# KiCad board FCSat_dual.kicad_pcb
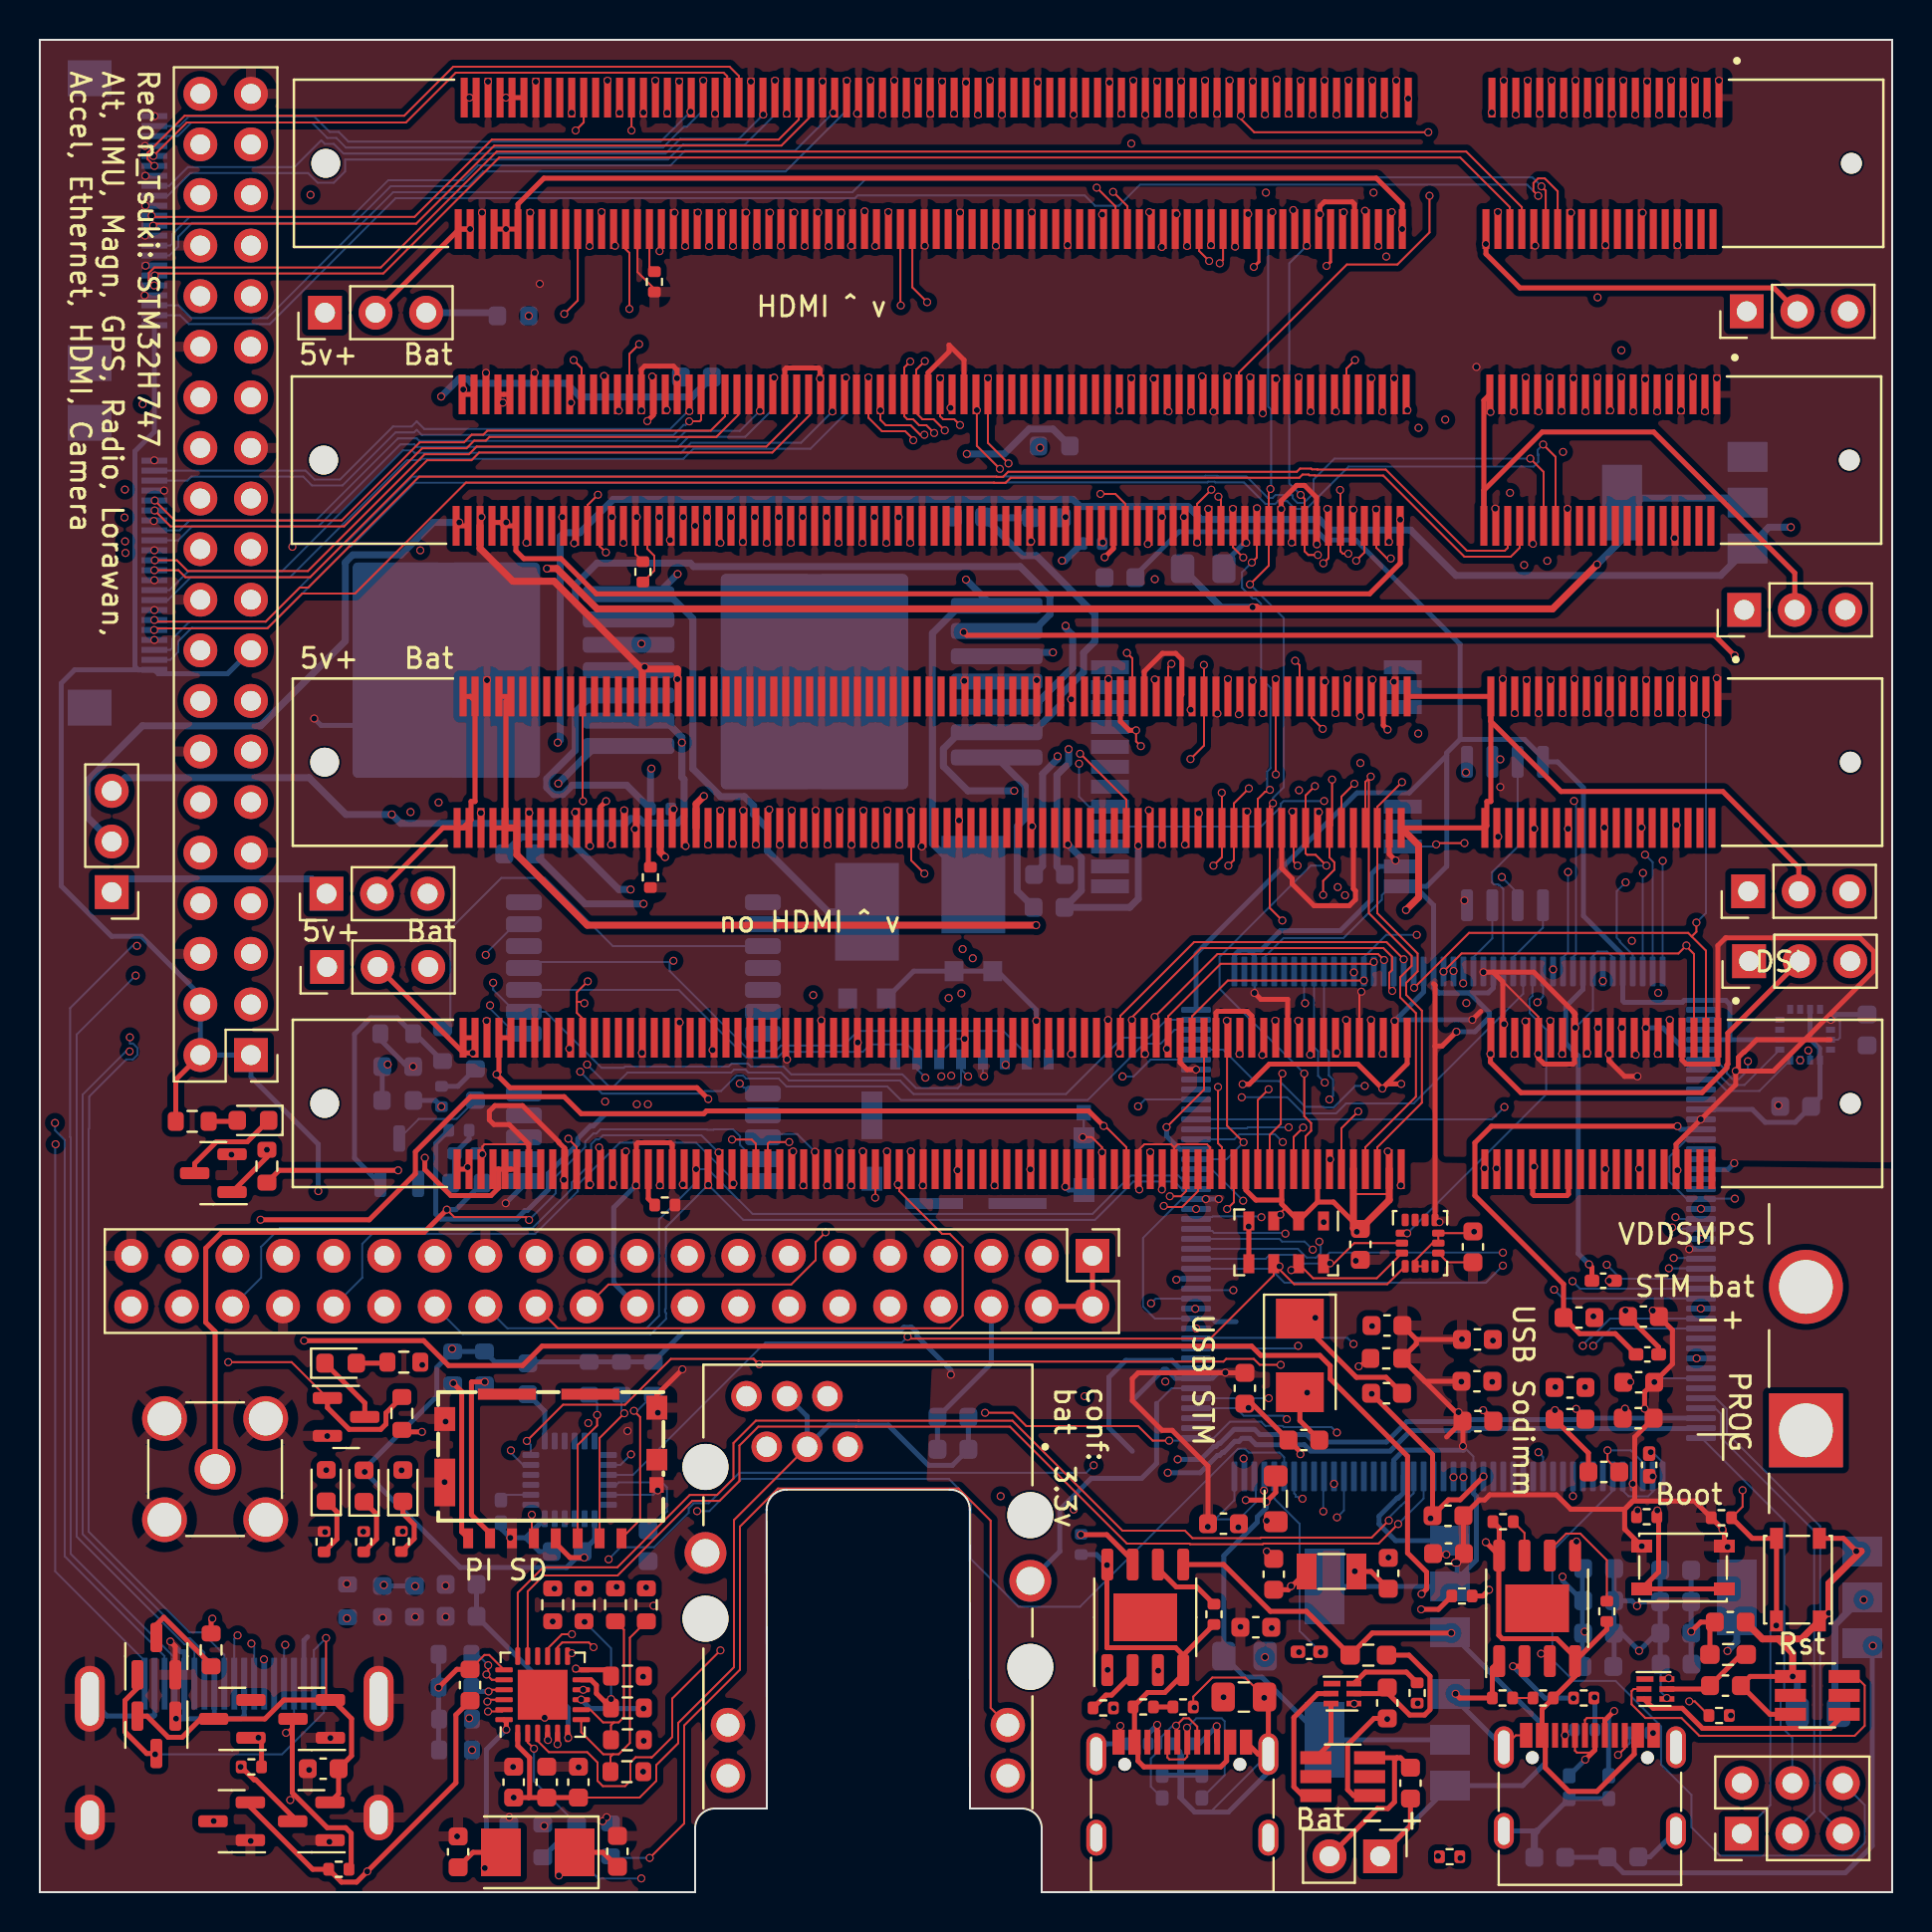
[diagram p0: board, top side]
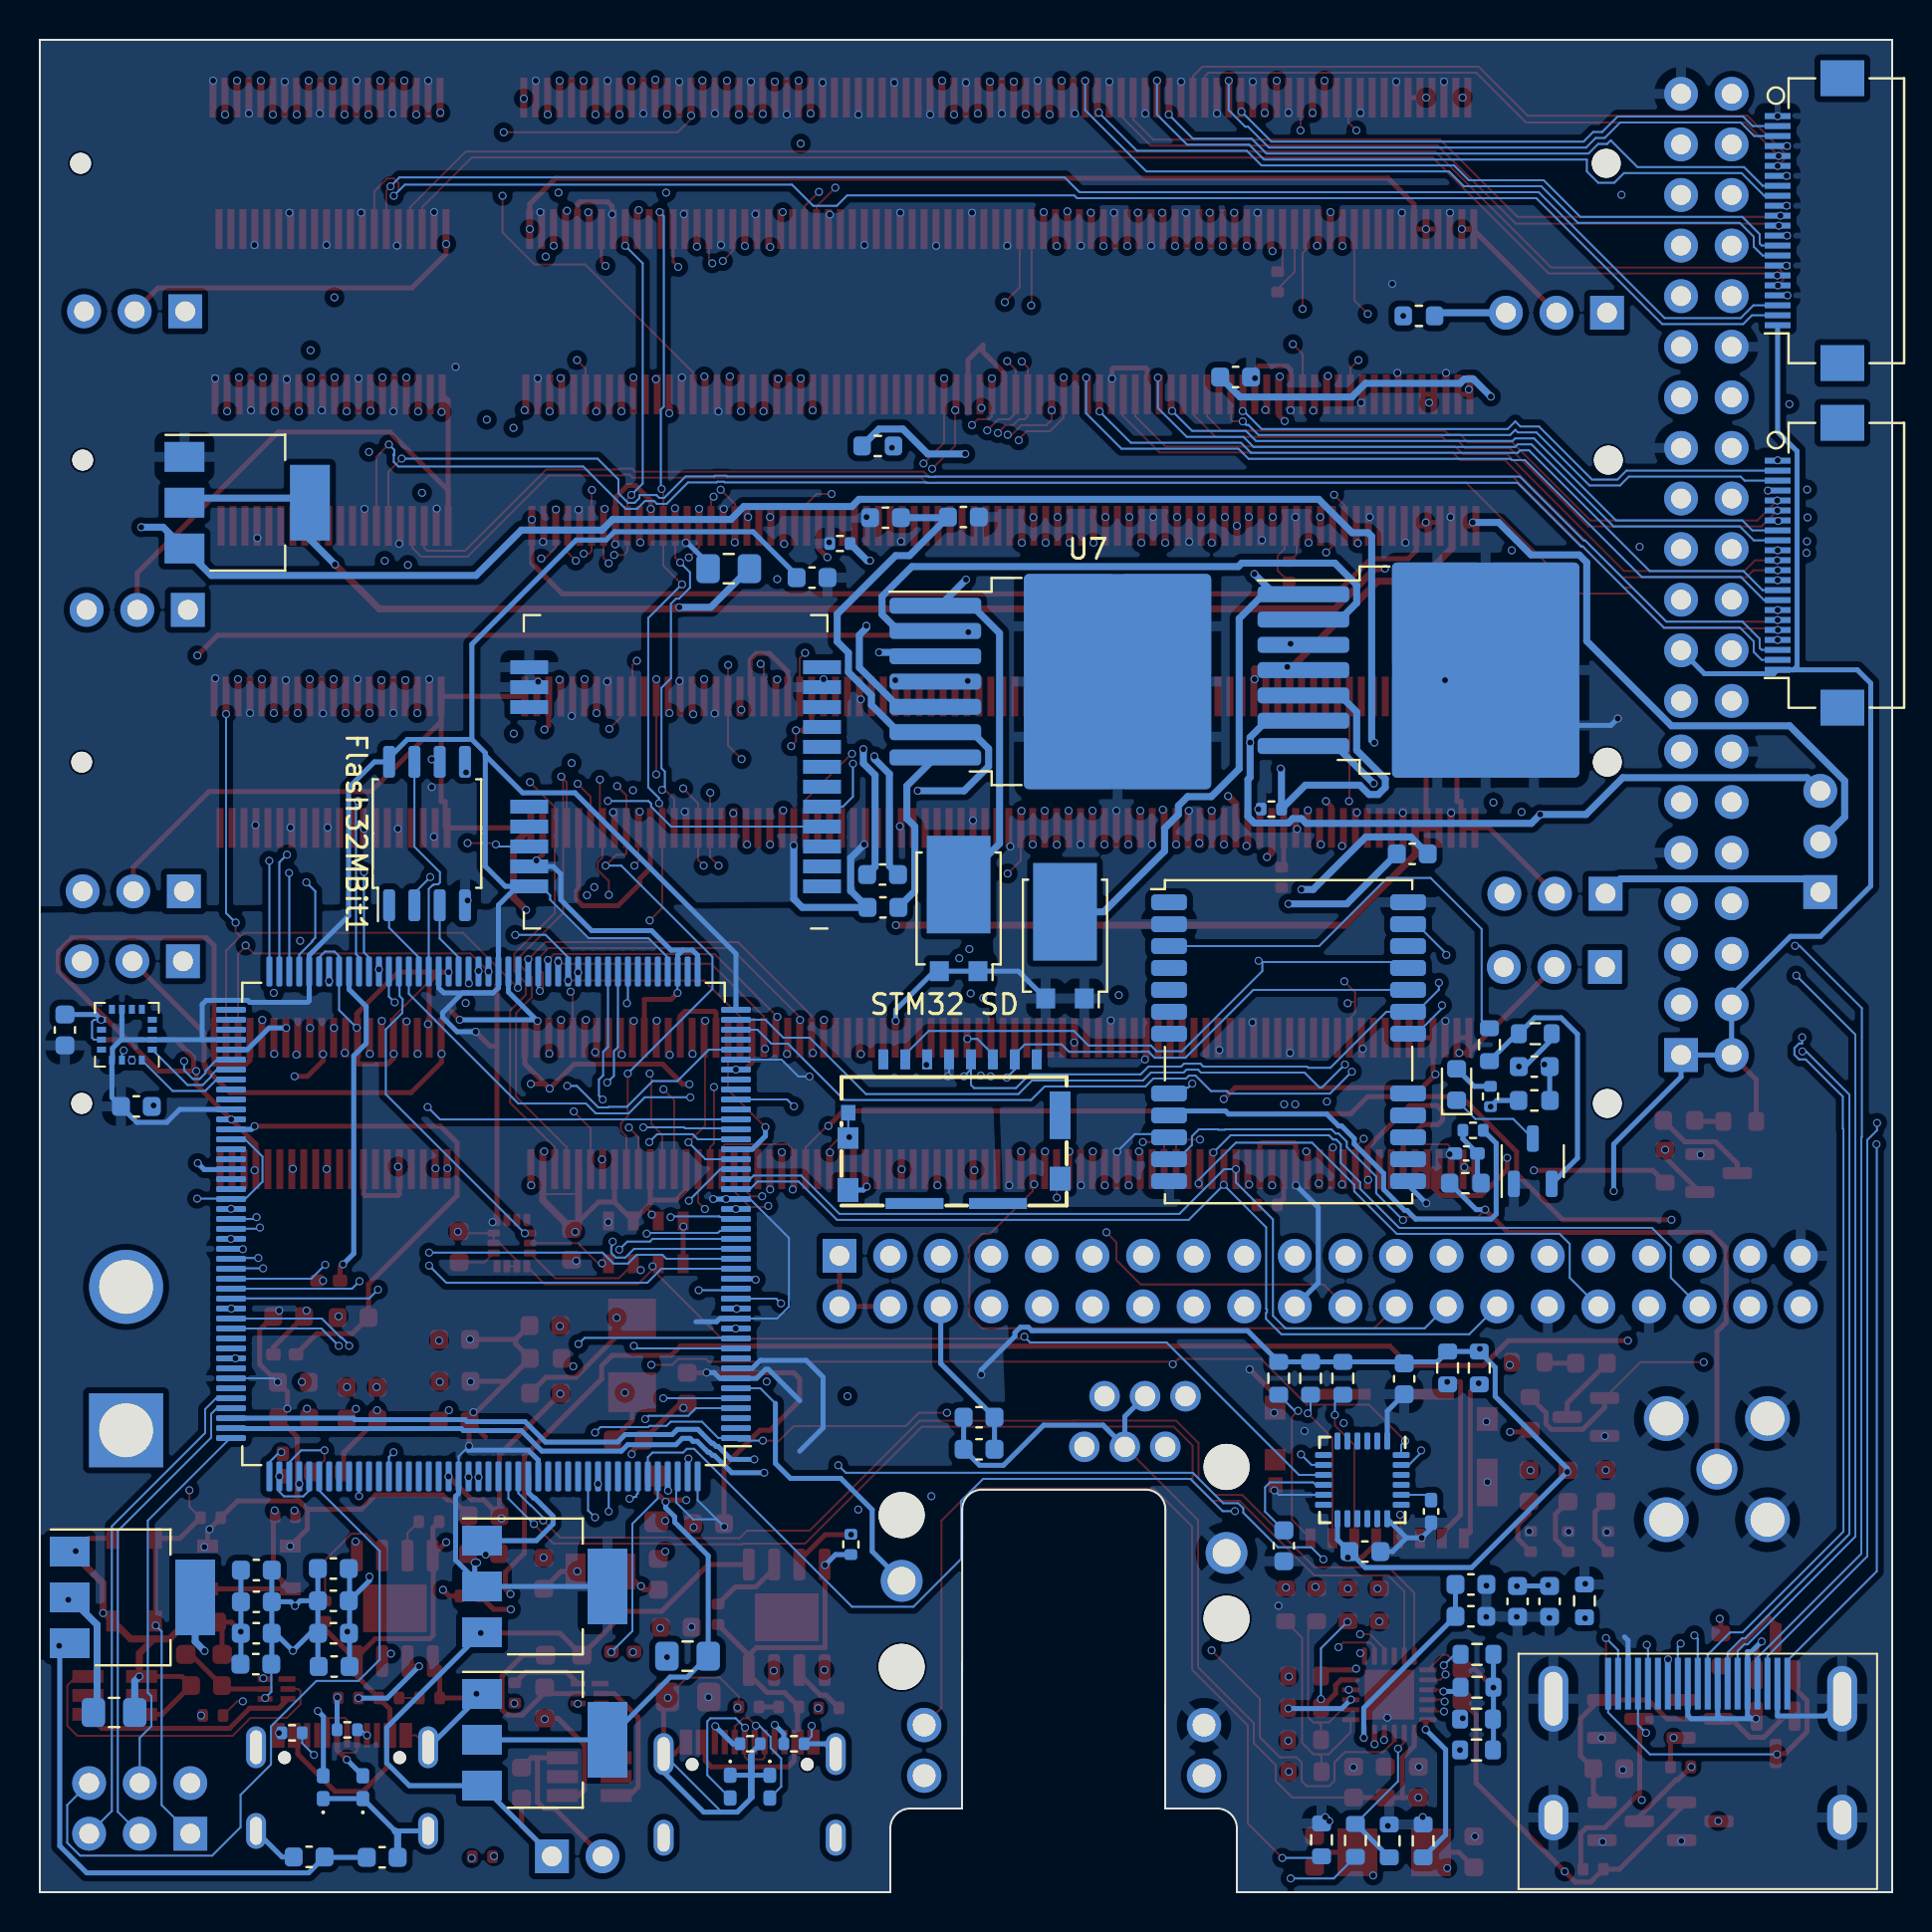
[diagram p1: board, bottom side, seen from below]

Outline 93 x 93 mm; copper layers: Top, In1.Cu, In2.Cu, Bottom. Coordinates in mm from the lower left corner of the outline.
Outline path: 0,93 93,93 93,0 50.3,0 50.3,3.2 arc(50.01,3.91) 49.3,4.2 46.7,4.2 46.69,19.21 arc(46.4,19.92) 45.69,20.21 37.49,20.21 arc(36.78,19.92) 36.49,19.21 36.5,4.2 33.9,4.2 arc(33.19,3.91) 32.9,3.2 32.9,0 0,0 0,93
Stack: Top 0.035mm / dielectric 0.1mm FR4 er 4.5 / In1.Cu 0.035mm / dielectric 1.24mm FR4 er 4.5 / In2.Cu 0.035mm / dielectric 0.1mm FR4 er 4.5 / Bottom 0.035mm

## Placement (name value [footprint] x y rotation side)
1.8vReg1  LD1117S18TR_SOT223  [SOT-223-3_TabPin2]  67.65 7.65 180 bottom
1.8vReg2  LD1117S18TR_SOT223  [SOT-223-3_TabPin2]  82.59 69.76 180 bottom
Accel1  MPU-6050  [InvenSense_QFN-24_4x4mm_P0.5mm]  26.6 20.7 270 bottom
Alt1  MS5611-01BA  [LGA-8_3x5mm_P1.25mm]  62.58 32.62 270 top
BAT1  DW02S  [PinHeader_1x02_P2.54mm_Vertical]  67.29 1.8 270 top
BAT2  DW02S  [AMASS_XT60PW-M]  94.67 26.79 270 top
BATCharge1  TP4056  [HTSOP-8-1EP_3.9x4.9mm_P1.27mm_EP2.4x3.2mm]  55.5 13.8 90 top
BATCharge2  TP4056  [HTSOP-8-1EP_3.9x4.9mm_P1.27mm_EP2.4x3.2mm]  75.17 14.25 90 top
BatProt1  BQ297xy  [WSON-6_1.5x1.5mm_P0.5mm]  65.4 9.97 0 top
BatProt2  BQ297xy  [WSON-6_1.5x1.5mm_P0.5mm]  81.11 10.2 0 top
C1  10p  [C_0603_1608Metric]  67.7 16.01 270 top
C2  20pF  [C_0603_1608Metric]  63.46 22.7 180 top
C3  10p  [C_0603_1608Metric]  61.95 15.96 270 top
C4  20pF  [C_0603_1608Metric]  67.61 25.05 180 top
C5  2.2uF  [C_0402_1005Metric_Pad0.74x0.62mm_HandSolder]  78.49 30.7 180 top
C6  2.2uF  [C_0402_1005Metric_Pad0.74x0.62mm_HandSolder]  80.8 21.45 90 top
C7  4.7uF  [C_0603_1608Metric]  78.52 21.1 0 top
C8  4.7uF  [C_0603_1608Metric]  59.42 18.5 0 top
C9  100n  [C_0603_1608Metric]  80.25 23.8 180 top
C10  100n  [C_0603_1608Metric]  80.27 25.6 180 top
C11  100n  [C_0603_1608Metric]  80.51 28.9 180 top
C12  100n  [C_0603_1608Metric]  70.7 18.9 180 top
C13  100n  [C_0603_1608Metric]  72.17 27.75 0 top
C14  100n  [C_0603_1608Metric]  72.15 25.65 0 top
C15  100n  [C_0603_1608Metric]  72.2 23.65 0 top
C16  100n  [C_0603_1608Metric]  67.64 28.45 180 top
C17  100n  [C_0603_1608Metric]  60.5 25.3 270 top
C18  100n  [C_0603_1608Metric]  88.16 39.45 180 bottom
C19  100n  [C_0603_1608Metric]  61.05 13.3 0 top
C20  100n  [C_0603_1608Metric]  70.73 17 180 top
C21  100n  [C_0603_1608Metric]  76.83 23.75 0 top
C22  100n  [C_0603_1608Metric]  76.83 25.34 0 top
C23  2.2uF  [C_0402_1005Metric_Pad0.74x0.62mm_HandSolder]  63.73 12.07 0 top
C24  2.2uF  [C_0402_1005Metric_Pad0.74x0.62mm_HandSolder]  80.71 27 180 top
C25  100n  [C_0603_1608Metric]  17.97 41.45 180 bottom
C26  100n  [C_0603_1608Metric]  26.48 17.1 180 bottom
C27  100n  [C_0603_1608Metric]  66.3 32.52 270 top
C28  100n  [C_0603_1608Metric]  54.23 66 0 bottom
C29  100n  [C_0603_1608Metric]  71.95 32.4 270 top
C30  100n  [C_0603_1608Metric]  91.74 43.29 270 bottom
C31  2.2nF  [C_0402_1005Metric_Pad0.74x0.62mm_HandSolder]  23.15 19.12 270 bottom
C32  100n  [C_0603_1608Metric]  30.54 17.39 90 bottom
C33  10nF  [C_0402_1005Metric_Pad0.74x0.62mm_HandSolder]  21.39 37.09 0 bottom
C34  100n  [C_0603_1608Metric]  67.65 9.5 90 top
C35  10u  [C_0603_1608Metric]  68.82 5.47 90 top
C36  22uF  [C_0805_2012Metric_Pad1.18x1.45mm_HandSolder]  60.48 11.85 0 bottom
C37  22uF  [C_0805_2012Metric_Pad1.18x1.45mm_HandSolder]  60.45 9.8 0 top
C38  10p  [C_0603_1608Metric]  29 2.05 270 top
C39  10p  [C_0603_1608Metric]  21 2.02 270 top
C40  10u  [C_0603_1608Metric]  17.2 14.6 270 bottom
C41  100n  [C_0603_1608Metric]  18.81 14.6 270 bottom
C42  470p  [C_0603_1608Metric]  21.15 15.45 180 bottom
C43  100n  [C_0603_1608Metric]  23.79 5.52 90 top
C44  1u  [C_0603_1608Metric]  21.15 13.85 180 bottom
C45  100n  [C_0603_1608Metric]  25.45 5.52 90 top
C46  10u  [C_0603_1608Metric]  27.04 5.52 90 top
C47  0.022u  [C_0603_1608Metric]  45.84 23.84 180 bottom
C48  0.022u  [C_0603_1608Metric]  45.84 22.23 180 bottom
C49  100n  [C_0603_1608Metric]  77.27 28.85 180 top
C50  100n  [C_0603_1608Metric]  24.5 25.77 270 bottom
C51  100n  [C_0603_1608Metric]  84.63 10.37 180 top
C52  10u  [C_0603_1608Metric]  84.87 13.56 0 top
C53  100n  [C_0603_1608Metric]  14.23 6.2 180 top
C54  22uF  [C_0805_2012Metric_Pad1.18x1.45mm_HandSolder]  58.41 66.45 0 bottom
C55  22uF  [C_0805_2012Metric_Pad1.18x1.45mm_HandSolder]  89.27 9.02 180 bottom
C56  1nF  [C_0603_1608Metric]  50.67 49.44 0 bottom
C57  .47uF  [C_0603_1608Metric]  82.14 13 180 bottom
C58  15uF  [C_0603_1608Metric]  82.13 16.17 180 bottom
C59  15uF  [C_0603_1608Metric]  82.13 14.58 180 bottom
C60  15uF  [C_0603_1608Metric]  82.16 11.45 180 bottom
C61  180uF  [C_0603_1608Metric]  50.54 69.01 0 bottom
C62  180uF  [C_0603_1608Metric]  46.63 69.04 180 bottom
C63  100nF  [C_0603_1608Metric]  50.69 51.09 0 bottom
C64  15uF  [C_0603_1608Metric]  78.23 11.33 0 bottom
C65  15uF  [C_0603_1608Metric]  78.26 13 0 bottom
C66  15uF  [C_0603_1608Metric]  78.27 14.63 0 bottom
C67  .47uF  [C_0603_1608Metric]  78.27 16.25 0 bottom
C68  100nF  [C_0603_1608Metric]  24.09 52.13 0 bottom
C69  1nF  [C_0603_1608Metric]  32.96 76.07 180 bottom
C70  180uF  [C_0603_1608Metric]  75.81 1.75 180 bottom
C71  180uF  [C_0603_1608Metric]  79.48 1.77 0 bottom
D1  led  [LED_0603_1608Metric]  21.87 40.55 90 bottom
D2  0402ESDA-MLP1  [D_0402_1005Metric_Pad0.77x0.64mm_HandSolder]  56.35 5.3 270 bottom
D3  0402ESDA-MLP1  [D_0402_1005Metric_Pad0.77x0.64mm_HandSolder]  58.34 5.3 270 bottom
D4  0402ESDA-MLP1  [D_0402_1005Metric_Pad0.77x0.64mm_HandSolder]  78.77 5.27 90 bottom
D5  GREEN LED  [LED_0603_1608Metric]  10.7 38.75 180 top
D6  led  [LED_0603_1608Metric]  14.38 20.42 90 top
D7  BAT54  [SOT-23]  9.66 8.7 180 top
D8  BAV99  [SOT-23]  9.63 3.56 180 top
D9  BAV99  [SOT-23]  13.63 3.56 180 top
D10  BAV99  [SOT-23]  13.65 8.7 180 top
D11  BAV99  [SOT-23]  5.85 7.9 270 top
D12  0402ESDA-MLP1  [D_0402_1005Metric_Pad0.77x0.64mm_HandSolder]  76.79 5.27 90 bottom
D13  led  [LED_0603_1608Metric]  16.28 20.39 90 top
D14  led  [LED_0603_1608Metric]  18.23 20.41 90 top
D15  GREEN LED  [LED_0603_1608Metric]  15.1 26.56 0 top
D16  PMEG100V060ELPDZ  [TO-277B]  46.87 49.39 0 bottom
D17  PMEG100V060ELPDZ  [TO-277B]  41.53 48.02 0 bottom
FB1  FerriteBead  [L_0603_1608Metric]  17.97 39.75 180 bottom
Flash32MBit1  IS25LP032D  [SOIC-8_5.23x5.23mm_P1.27mm]  73.56 53.15 90 bottom
GPS1  NEO-M8N  [ublox_NEO]  30.3 42.7 180 bottom
IMU1  LSM6DSO32TR  [LGA-14_3x2.5mm_P0.5mm_LayoutBorder3x4y]  69.3 32.59 90 top
J3  Y!:105162-0001 SD  [105162-0001 SD]  47.1 34.47 0 bottom
J4  Conn_Coaxial  [SMA_Amphenol_901-144_Vertical]  8.8 21.24 270 top
J5  L834-1G1T-91  [Ethernet]  41.58 15.63 0 top
J6  105162-0001  [105162-0001 SD]  25.65 25.1 0 top
J7  Conn_01x03_Pin  [PinHeader_1x03_P2.54mm_Vertical]  14.31 79.3 90 top
J8  2001-1-2-21-00-BK  [HDMI_MOLEX_471510001]  9.76 10.47 180 bottom
J9  Conn_01x03_Pin  [PinHeader_1x03_P2.54mm_Vertical]  3.61 50.21 180 top
J10  Conn_01x03_Pin  [PinHeader_1x03_P2.54mm_Vertical]  14.39 50.13 90 top
J11  Conn_01x03_Pin  [PinHeader_1x03_P2.54mm_Vertical]  14.42 46.45 90 top
J12  Conn_02x03_Odd_Even  [PinHeader_2x03_P2.54mm_Vertical]  85.45 2.93 90 top
J13  Conn_01x03_Pin  [PinHeader_1x03_P2.54mm_Vertical]  85.57 64.38 90 top
J14  Conn_01x03_Pin  [PinHeader_1x03_P2.54mm_Vertical]  85.7 79.37 90 top
J15  Conn_01x03_Pin  [PinHeader_1x03_P2.54mm_Vertical]  85.77 50.25 90 top
J16  Conn_01x03_Pin  [PinHeader_1x03_P2.54mm_Vertical]  85.82 46.74 90 top
L1  ferrite  [L_0603_1608Metric]  67.6 26.8 0 top
L2  27nH  [L_0603_1608Metric]  21.43 35.6 180 bottom
L3  2.2uH  [L_0805_2012Metric_Pad1.05x1.20mm_HandSolder]  62.05 19.75 270 top
L4  ferrite  [L_0603_1608Metric]  21.6 10.4 90 top
L5  22uH  [L_0603_1608Metric]  50.93 72.61 180 bottom
L6  22uH  [L_0603_1608Metric]  23.76 79.14 180 bottom
LoRaWan1  -  [RAK4200]  61.08 56.25 0 bottom
Magnetometer1  IST8308  [LGA-16_3x3mm_P0.5mm]  88.63 43.05 0 bottom
MainMCU1  STM32H747IITx  [LQFP-176_24x24mm_P0.5mm]  70.73 33.55 0 bottom
P1  CAM1  [Hirose_FH12-22S-0.5SH_1x22-1MP_P0.50mm_Horizontal]  3.9 66.62 90 bottom
P2  CAM1  [Hirose_FH12-22S-0.5SH_1x22-1MP_P0.50mm_Horizontal]  3.9 83.92 90 bottom
P3  CONN_02X20  [PinHeader_2x20_P2.54mm_Vertical]  10.6 42.03 180 top
P4  CONN_02X20  [PinHeader_2x20_P2.54mm_Vertical]  52.85 31.95 270 top
PowerMosfet1  FS8205A  [SOT-23-6_Handsoldering]  65.42 5.8 180 top
PowerMosfet2  FS8205A  [SOT-23-6_Handsoldering]  89.24 9.88 0 top
Q1  BCV27  [SOT-23-3]  18.04 36.7 90 bottom
Q2  2N7002P.215  [SOT-23]  5.85 11.85 90 top
Q3  2N7002P.215  [SOT-23]  8.71 36.1 180 top
Q4  2N7002P.215  [SOT-23]  15.38 23.86 0 top
R1  2.2k  [R_0402_1005Metric]  80.67 18.85 180 top
R2  2.2k  [R_0402_1005Metric]  84.42 18.8 180 top
R3  10K  [R_0603_1608Metric]  20.22 42.55 270 bottom
R4  10  [R_0402_1005Metric]  21.04 38.25 180 bottom
R5  10K  [R_0603_1608Metric]  17.92 43.1 0 bottom
R6  2.2k  [R_0402_1005Metric]  20.17 39.95 270 bottom
R7  47k  [R_0402_1005Metric]  57.4 9.3 0 top
R8  47k  [R_0402_1005Metric]  55.4 9.3 0 top
R9  2.2k  [R_0402_1005Metric]  58.95 13.95 270 top
R10  2.2k  [R_0402_1005Metric]  52.28 17.46 270 bottom
R11  2.2k  [R_0402_1005Metric]  55.14 7.45 0 bottom
R12  2.2k  [R_0402_1005Metric]  57.34 7.45 0 bottom
R13  2.2k  [R_0402_1005Metric]  53.39 9.25 0 top
R14  2.2k  [R_0402_1005Metric]  69.15 10 270 top
R15  330  [R_0603_1608Metric_Pad0.98x0.95mm_HandSolder]  66.7 11.9 0 top
R16  10K  [R_0603_1608Metric]  15.45 14.62 270 bottom
R17  10K  [R_0603_1608Metric]  28.9 14.42 90 top
R18  10K  [R_0603_1608Metric]  30.45 14.42 90 top
R19  10K  [R_0603_1608Metric]  27.32 14.42 90 top
R20  10K  [R_0603_1608Metric]  25.75 14.42 90 top
R21  10K  [R_0603_1608Metric]  29.5 7.65 180 top
R22  10K  [R_0603_1608Metric]  29.48 6.05 180 top
R23  10K  [R_0603_1608Metric]  29.5 9.25 180 top
R24  1K5  [R_0603_1608Metric]  29.5 10.85 180 top
R25  12.1K 1%  [R_0603_1608Metric]  23.55 2.57 90 bottom
R26  49.9R  [R_0603_1608Metric]  20.84 10.29 0 bottom
R27  10K  [R_0603_1608Metric]  25.25 2.57 270 bottom
R28  49.9R  [R_0603_1608Metric]  20.84 11.94 0 bottom
R29  49.9R  [R_0603_1608Metric]  20.87 7.14 0 bottom
R30  49.9R  [R_0603_1608Metric]  20.87 8.69 0 bottom
R31  220R  [R_0603_1608Metric]  28.65 2.62 270 bottom
R32  220R  [R_0603_1608Metric]  26.95 2.6 270 bottom
R33  10K  [R_0603_1608Metric]  20.73 26.32 270 bottom
R34  10K  [R_0603_1608Metric]  22.32 26.32 270 bottom
R35  10K  [R_0603_1608Metric]  27.58 25.8 270 bottom
R36  10K  [R_0603_1608Metric]  29.2 25.8 270 bottom
R37  10K  [R_0603_1608Metric]  30.8 25.8 270 bottom
R38  2.2k  [R_0402_1005Metric]  10.62 6.29 180 top
R39  2.2k  [R_0402_1005Metric]  15.01 1.15 0 top
R40  2.2k  [R_0402_1005Metric]  30.86 80.85 90 top
R41  100K  [R_0603_1608Metric]  11.4 36.45 90 top
R42  1K  [R_0603_1608Metric]  7.65 38.7 0 top
R43  2.2k  [R_0402_1005Metric]  30.28 66.29 270 top
R44  100K  [R_0603_1608Metric]  8.6 12.16 270 top
R45  2.2k  [R_0402_1005Metric]  30.66 50.95 90 top
R46  2.2k  [R_0402_1005Metric]  31.38 34.5 180 top
R47  47k  [R_0402_1005Metric]  73.44 9.75 180 top
R48  47k  [R_0402_1005Metric]  75.48 9.75 180 top
R49  2.2k  [R_0402_1005Metric]  78.67 14.1 270 top
R50  2.2k  [R_0402_1005Metric]  73.46 18.6 180 top
R51  2.2k  [R_0402_1005Metric]  77.57 8.15 180 bottom
R52  2.2k  [R_0402_1005Metric]  80.33 8 180 bottom
R53  2.2k  [R_0402_1005Metric]  77.52 9.75 0 top
R54  2.2k  [R_0402_1005Metric]  84.31 8.87 0 top
R55  330  [R_0603_1608Metric_Pad0.98x0.95mm_HandSolder]  84.76 11.93 0 top
R56  47.5k  [R_0402_1005Metric]  14.27 17.6 90 top
R57  47.5k  [R_0402_1005Metric]  16.26 17.6 90 top
R58  47.5k  [R_0402_1005Metric]  18.15 17.61 90 top
R59  100K  [R_0603_1608Metric]  18.18 24.03 90 top
R60  1K  [R_0603_1608Metric]  18.28 26.61 180 top
R61  0  [R_0402_1005Metric]  71.4 14.87 180 top
R62  5.6k  [R_0402_1005Metric]  31.17 54.38 180 bottom
R63  NC  [R_0402_1005Metric]  70.78 1.78 180 top
Rw1  5.6k  [R_0402_1005Metric]  52.83 67.71 180 bottom
SW1  SW_Push  [SW_SPST_PTS810]  82.5 16.3 0 top
SW2  SW_Push  [SW_SPST_PTS810]  88.27 15.69 270 top
U1  LAN8742A  [HVQFN-24-1EP_4x4mm_P0.5mm_EP2.5x2.5mm]  25.25 9.91 90 top
U2  ~  [TE_2040910-1]  52.66 86.8 180 top
U3  ~  [TE_2040910-1]  52.55 71.9 180 top
U4  ~  [TE_2040910-1]  52.6 56.73 180 top
U5  ~  [TE_2040910-1]  52.6 39.6 180 top
U6  LM2672M-5.0  [TO-263-7_TabPin8]  21.91 61.35 180 bottom
U7  LM2672M-5.0  [TO-263-7_TabPin8]  40.39 60.78 180 bottom
USB_C_ESP1  USB_C  [USB_C_Receptacle_G-Switch_GT-USB-7010ASV]  57.36 3.81 0 top
USB_C_ESP3  USB_C  [USB_C_Receptacle_G-Switch_GT-USB-7010ASV]  77.83 4.15 0 top
VoltReg1  AMS1117CD-3.3  [SOT-223-3_TabPin2]  67.65 15.35 180 bottom
VoltReg2  AMS1117CD-3.3  [SOT-223-3_TabPin2]  88.35 14.8 180 bottom
Y1  32.768K  [Crystal_SMD_3215-2Pin_3.2x1.5mm]  64.85 16.1 0 top
Y2  8MHz  [Crystal_SMD_5032-2Pin_5.0x3.2mm]  63.26 26.95 270 top
Y3  25M  [Crystal_SMD_5032-2Pin_5.0x3.2mm]  25 2 180 top

## Library data of the parts
1.8vReg1 1.8vReg2 = -: Description: 800mA Fixed Low Drop Positive Voltage Regulator, Fixed Output 1.8V, SOT-223
Accel1 = -: Description: InvenSense 6-Axis Motion Sensor, Gyroscope, Accelerometer, I2C; Field5: Directly Below; Field6: KEEPOUT; Field7: No Copper; Field8: Component
Alt1 = -: Description: Barometric pressure sensor, 10cm resolution, 10 to 1200 mbar, I2C and SPI interface up to 20MHz, LGA-8
BAT1 BAT2 = -: Fieldname 1: Value 1; Fieldname2: Value2; Fieldname3: Value3; Not Bought: A
BATCharge1 BATCharge2 PowerMosfet1 PowerMosfet2 = -: Not Bought: A
BatProt1 BatProt2 = -: Description: Voltage and Current Protection for Single-Cell Li-Ion and Li-Polymer Batteries; Not Bought: A
C1 C3 C38 C39 = -: Description: Unpolarized capacitor, small symbol; DESCRIPTION: Capacitor 10p 0603; MANUFACTURER: Yageo; MANUFACTURER_PART_NUMBER: CC0603JRNPO9BN100
C2 C4 = -: Description: Unpolarized capacitor, small symbol; DESCRIPTION: Capacitor 20p 0603; MANUFACTURER: Yageo; MANUFACTURER_PART_NUMBER: CC0603CRNPO9BN1R0
C5 C6 C23 C24 C31 C33 C36 C37 C54 C55 = -: Description: Unpolarized capacitor, small symbol
C7 C8 = -: Description: Unpolarized capacitor, small symbol; DESCRIPTION: Capacitor 2.2u 0603; MANUFACTURER: Yageo; MANUFACTURER_PART_NUMBER: CC0603ZRY5V6BB225
C9-C22 C25-C30 C32 C34 C41 C43 C45 C49-C51 C53 = -: Description: Unpolarized capacitor, small symbol; DESCRIPTION: Capacitor 100n 0603; MANUFACTURER: Yageo; MANUFACTURER_PART_NUMBER: CC0603KRX7R9BB104
C35 C40 C46 C52 C56-C71 = -: Description: Unpolarized capacitor, small symbol; DESCRIPTION: Capacitor 10u 0603; MANUFACTURER: AVX; MANUFACTURER_PART_NUMBER: 0603ZD106KAT2A
C42 = -: Description: Unpolarized capacitor, small symbol; DESCRIPTION: Capacitor 420p 0603; MANUFACTURER: AVX; MANUFACTURER_PART_NUMBER: 06035C471KAT2A
C44 = -: Description: Unpolarized capacitor, small symbol; DESCRIPTION: Capacitor 1u 0603; MANUFACTURER: Yageo; MANUFACTURER_PART_NUMBER: CC0603ZRY5V6BB105
C47 C48 = -: Description: Unpolarized capacitor, small symbol; DESCRIPTION: Capacitor 0.022u 0603; MANUFACTURER: AVX; MANUFACTURER_PART_NUMBER: 06035C223KAT2A
D1 = -: Description: 940nm, 20 deg, Infrared LED, 1206; Not Bought: A
D2-D4 D12 = -: Description: Bidirectional transient-voltage-suppression diode, filled shape
D6 D13 D14 = -: Description: 940nm, 20 deg, Infrared LED, 1206
D16 D17 = -: Description: Schottky diode, small symbol
FB1 = -: Description: Ferrite bead
Flash32MBit1 = -: DESCRIPTION: IS25LP032D-JBLE-TR; MANUFACTURER: ISSI; MANUFACTURER_PART_NUMBER: IS25LP032D-JBLE-TR
GPS1 = -: Description: GNSS Module NEO M8, VCC 2.7V to 3.6V
IMU1 = -: Description: I2C/SPI, iNEMO inertial module: always-on 3D accelerometer and 3D gyroscope
J3 = -: Description: Micro SD Card Socket; Field5: KEEP OUT
J4 = -: Description: coaxial connector (BNC, SMA, SMB, SMC, Cinch/RCA, LEMO, ...)
J5 = -: MANUFACTURER: Bel Fuse; MAXIMUM_PACKAGE_HEIGHT: 11.46 mm; PARTREV: C; STANDARD: Manufacturer Recommendations
J6 = -: DESCRIPTION: Memory Card Connectors 1.45H MICRO SD HEADER WITH D/C PIN; HEIGHT: mm; MANUFACTURER: Molex; MANUFACTURER_NAME: Molex; MOUSER_PART_NUMBER: 538-105162-0001; MOUSER_PRICE-STOCK: https://www.mouser.co.uk/ProductDetail/Molex/105162-0001?qs=1fNsfHe5VsK8daqlgKxZfQ%3D%3D
J7 J9-J11 J13-J16 = -: Description: Generic connector, single row, 01x03, script generated
J8 = -: Description: CONN RCPT MINI HDMI 19POS SMD RA
J12 = -: Description: Generic connector, double row, 02x03, odd/even pin numbering scheme (row 1 odd numbers, row 2 even numbers), script generated (kicad-library-utils/schlib/autogen/connector/)
L1 L4-L6 = -: Description: Inductor, small symbol; DESCRIPTION: ferrite bead 0603; MANUFACTURER: Taiyo Yuden; MANUFACTURER_PART_NUMBER: BK1608HS220-T
L2 = -: Description: Inductor
L3 = -: Description: Inductor, small symbol
LoRaWan1 = -: Description: LoRa Module, STM32L071,  RAKwireless; Not Bought: A
Magnetometer1 = -: Description: 3D Magnetometer, High Sensitivity, I2C Interface, LGA-16; Not Bought: A
MainMCU1 = -: Description: STMicroelectronics Arm Cortex-M7 MCU, 2048KB flash, 1024KB RAM, 480 MHz, 1.62-3.6V, 114 GPIO, LQFP176
Q1 = -: Description: NPN transistor, emitter/base/collector
R1 R2 R4 R6-R15 R38-R40 R43 R45-R58 R61-R63 Rw1 = -: Description: Resistor
R3 R5 R16-R23 R27 R33-R37 = -: Description: Resistor, small symbol; DESCRIPTION: Resistor 10K 0603; MANUFACTURER: Yageo; MANUFACTURER_PART_NUMBER: RC0603FR-0710KL
R24 = -: Description: Resistor, small symbol; DESCRIPTION: Resistor 1.5K 0603; MANUFACTURER: Yageo; MANUFACTURER_PART_NUMBER: RC0603JR-071K5L
R25 = -: Description: Resistor, small symbol; DESCRIPTION: Resistor 12.1K 1% 0603; MANUFACTURER: Yageo; MANUFACTURER_PART_NUMBER: RT0603BRD0712K1L
R26 R28-R30 = -: Description: Resistor, small symbol; DESCRIPTION: Resistor 49.9 ohm 1%0603; MANUFACTURER: Yageo; MANUFACTURER_PART_NUMBER: RC0603FR-0749R9L
R31 R32 = -: Description: Resistor, small symbol; DESCRIPTION: Resistor 270 ohm 0603; MANUFACTURER: Yageo; MANUFACTURER_PART_NUMBER: RC0603JR-07220RL
SW1 SW2 = -: Description: Push button switch, generic, two pins
U1 = -: MANUFACTURER: Microchip; ambient temperature range high: +70°C; ambient temperature range low: 0°C; automotive: No; category: IC; data rate: 100Mbits/s; device class L1: Integrated Circuits (ICs); device class L2: Interface ICs; device class L3: Ethernet Interface ICs; digikey description: IC TRANSCEIVER 1/1 24SQFN; digikey part number: LAN8742A-CZ-CT-ND; height: 1mm; interface: Ethernet,Other; ipc land pattern name: QFN50P400X400X90-24; lead free: Yes; library id: 65aace372bc6d89f; manufacturer: Microchip; max supply voltage: 3.6V; min supply voltage: 1.14V; mouser part number: 579-LAN8742A-CZ-TR; nominal supply current: 6.5-59mA; number of channels: 1; package: VQFN24; rohs: Yes; simplex duplex: Full-Duplex; standoff height: 0mm; temperature range high: +70°C; temperature range low: 0°C
U6 U7 = -: Description: 5V, 1A Step-Down Voltage Regulator, SO-8
USB_C_ESP1 USB_C_ESP3 = -: Description: USB 2.0-only Type-C Receptacle connector
VoltReg1 VoltReg2 = -: Description: 1A Low Dropout regulator, positive, 3.3V fixed output, TO-252
Y1 = -: Description: Two pin crystal, small symbol; DESCRIPTION: Crystal 32.768KHz 3215; MANUFACTURER: Citizen Finedevice; MANUFACTURER_PART_NUMBER: CM315D32768DZFT
Y2 = -: Description: Two pin crystal, small symbol; DESCRIPTION: Crystal 8MHz 3215; MANUFACTURER: Abracom; MANUFACTURER_PART_NUMBER: ABM7-8.000MHZ-D2Y-T
Y3 = -: Description: Two pin crystal, small symbol; DESCRIPTION: Crystal 25MHz 3215; MANUFACTURER: Abracom; MANUFACTURER_PART_NUMBER: ABM7-25.000MHZ-D2Y-T
